# Allegro board 6089-119-RevA_41.brd (continued)
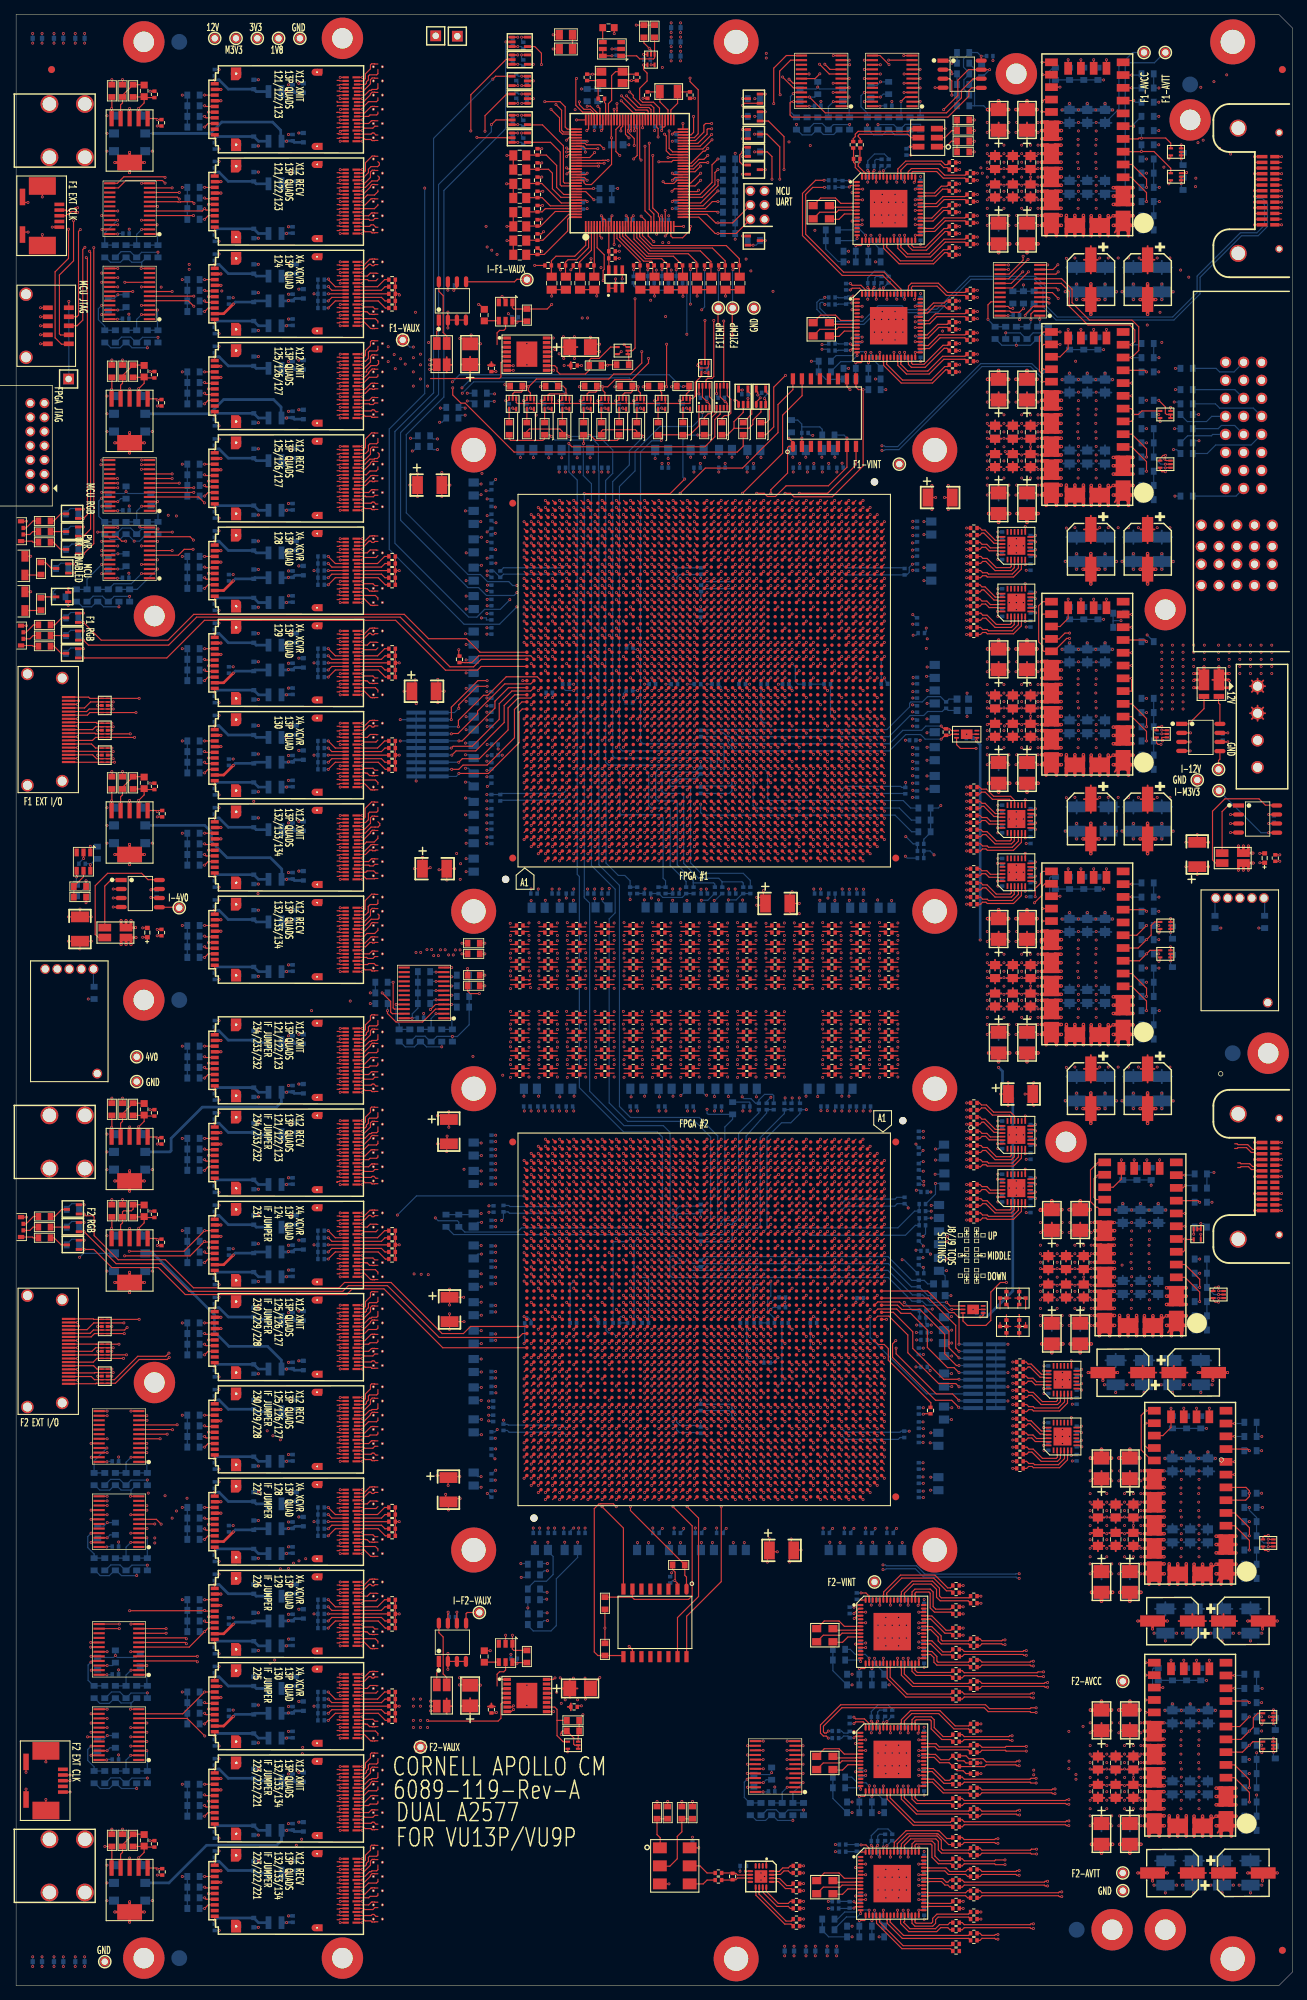
[diagram p0: board, top side]
## Routing (per net, layer and track width the routed paths; a pad name or vN(x,y) marks a point on that pad's centre or on a via; arc(x,y) is an arc through that point) (continued)
  GND3 w0.254: 50.18,196.49 VA31.4 ; VA31.4 49.95,197.09 ; VA31.4 50.04,196.58 ; VA31.4 50.37,196.52 ; VA31.4 50.04,197.22 ; VA31.4 49.95,196.71 ; VA31.4 49.98,196.9 ; VA31.4 50.37,197.28 ; 50.18,207.99 VA28.3 ; VA28.3 50.37,208.78 ; VA28.3 49.95,208.59 ; VA28.3 50.37,208.02 ; VA28.3 50.04,208.72 ; VA28.3 49.98,208.4 ; VA28.3 50.04,208.08 ; VA28.3 49.95,208.21 ; VA34.3 50.37,189.28 ; VA34.3 49.95,189.09 ; VA34.3 49.98,188.9 ; VA34.3 50.04,188.58 ; VA34.3 50.04,189.22 ; VA34.3 50.37,188.52 ; VA34.3 50.18,188.49 ; VA34.3 49.95,188.71 ; VA54.4 52.05,134.21 ; VA54.4 52.02,134.4 ; VA54.4 51.63,134.78 ; VA54.4 51.63,134.02 ; VA54.4 51.96,134.72 ; VA54.4 51.96,134.08 ; VA54.4 52.05,134.59 ; VA54.4 51.82,134.81 ; VA44.4 51.96,160.08 ; VA44.4 51.82,160.81 ; VA44.4 51.63,160.78 ; VA44.4 52.02,160.4 ; VA44.4 52.05,160.59 ; VA44.4 51.63,160.02 ; VA44.4 52.05,160.21 ; VA44.4 51.96,160.72 ; 49.98,260.4 VA6.3 ; VA6.3 50.18,259.99 ; VA6.3 50.37,260.02 ; VA6.3 50.04,260.72 ; VA6.3 50.37,260.78 ; VA6.3 49.95,260.59 ; VA6.3 49.95,260.21 ; VA6.3 50.04,260.08 ; 50.37,181.52 VA36.4 ; VA36.4 49.98,181.9 ; VA36.4 50.04,181.58 ; VA36.4 50.04,182.22 ; VA36.4 49.95,181.71 ; VA36.4 50.37,182.28 ; VA36.4 50.18,181.49 ; VA36.4 49.95,182.09 ; 49.95,203.71 VA29.3 ; VA29.3 50.18,203.49 ; VA29.3 50.37,203.52 ; VA29.3 49.98,203.9 ; VA29.3 49.95,204.09 ; VA29.3 50.37,204.28 ; VA29.3 50.04,204.22 ; VA29.3 50.04,203.58 ; 50.18,240.49 VA14.3 ; VA14.3 49.98,240.9 ; VA14.3 49.95,240.71 ; VA14.3 50.04,240.58 ; VA14.3 50.37,240.52 ; VA14.3 49.95,241.09 ; VA14.3 50.04,241.22 ; VA14.3 50.37,241.28 ; VA104.3 50.37,9.78 ; VA104.3 50.18,8.99 ; VA104.3 49.98,9.4 ; VA104.3 49.95,9.59 ; VA104.3 49.95,9.21 ; VA104.3 50.04,9.72 ; VA104.3 50.04,9.08 ; VA104.3 50.37,9.02 ; VA33.4 52.02,190.9 ; VA33.4 51.82,191.31 ; VA33.4 51.96,191.22 ; VA33.4 52.05,191.09 ; VA33.4 51.96,190.58 ; VA33.4 52.05,190.71 ; VA33.4 51.63,190.52 ; VA33.4 51.63,191.28 ; VA59.4 51.96,123.72 ; VA59.4 51.82,123.81 ; VA59.4 51.63,123.78 ; VA59.4 52.05,123.21 ; VA59.4 51.96,123.08 ; VA59.4 51.63,123.02 ; VA59.4 52.02,123.4 ; VA59.4 52.05,123.59 ; VA87.3 51.96,49.58 ; VA87.3 52.05,49.71 ; VA87.3 52.05,50.09 ; VA87.3 51.82,50.31 ; VA87.3 51.96,50.22 ; VA87.3 51.63,49.52 ; VA87.3 51.63,50.28 ; VA87.3 52.02,49.9 ; 5.69,168.93 J5.21 ; J5.21 6.5,168.67 ; J5.21 5.69,170.54 ; J5.21 7.31,170.54 ; J5.21 7.57,169.74 ; J5.21 7.31,168.93 ; J5.21 5.43,169.74 ; J5.21 6.5,170.8 ; VA78.3 50.37,78.78 ; VA78.3 50.04,78.72 ; VA78.3 50.37,78.02 ; VA78.3 49.98,78.4 ; VA78.3 49.95,78.59 ; VA78.3 49.95,78.21 ; VA78.3 50.04,78.08 ; VA78.3 50.18,77.99 ; 51.63,11.02 VA103.4 ; VA103.4 51.82,11.81 ; VA103.4 52.05,11.59 ; VA103.4 52.02,11.4 ; VA103.4 51.96,11.08 ; VA103.4 52.05,11.21 ; VA103.4 51.63,11.78 ; VA103.4 51.96,11.72 ; 49.95,151.59 VA48.3 ; VA48.3 49.98,151.4 ; VA48.3 49.95,151.21 ; VA48.3 50.37,151.02 ; VA48.3 50.18,150.99 ; VA48.3 50.04,151.72 ; VA48.3 50.04,151.08 ; VA48.3 50.37,151.78 ; VA77.4 51.63,80.78 ; VA77.4 51.82,80.81 ; VA77.4 51.96,80.08 ; VA77.4 52.05,80.21 ; VA77.4 51.63,80.02 ; VA77.4 52.02,80.4 ; VA77.4 52.05,80.59 ; VA77.4 51.96,80.72 ; VA50.4 52.05,147.21 ; VA50.4 52.02,147.4 ; VA50.4 51.82,147.81 ; VA50.4 51.63,147.02 ; VA50.4 51.96,147.72 ; VA50.4 52.05,147.59 ; VA50.4 51.96,147.08 ; VA50.4 51.63,147.78 ; VA23.4 52.02,218.4 ; VA23.4 51.63,218.78 ; VA23.4 51.63,218.02 ; VA23.4 51.82,218.81 ; VA23.4 51.96,218.08 ; VA23.4 52.05,218.21 ; VA23.4 51.96,218.72 ; VA23.4 52.05,218.59 ; 51.63,41.52 VA90.4 ; VA90.4 51.63,42.28 ; VA90.4 51.82,42.31 ; VA90.4 52.05,41.71 ; VA90.4 51.96,41.58 ; VA90.4 51.96,42.22 ; VA90.4 52.05,42.09 ; VA90.4 52.02,41.9 ; VA63.4 51.63,115.78 ; VA63.4 51.63,115.02 ; VA63.4 52.05,115.21 ; VA63.4 51.96,115.72 ; VA63.4 51.96,115.08 ; VA63.4 52.05,115.59 ; VA63.4 52.02,115.4 ; VA63.4 51.82,115.81 ; 49.95,49.71 VA87.4 ; VA87.4 49.95,50.09 ; VA87.4 50.04,50.22 ; VA87.4 50.18,49.49 ; VA87.4 49.98,49.9 ; VA87.4 50.37,49.52 ; VA87.4 50.37,50.28 ; VA87.4 50.04,49.58 ; PM1.1 13.38,3.4 ; PM1.1 11.83,4.07 ; PM1.1 11.62,3.4 ; PM1.1 12.5,4.28 ; PM1.1 12.5,2.52 ; PM1.1 13.17,4.07 ; PM1.1 13.17,2.73 ; PM1.1 11.83,2.73 ; 49.95,158.59 VA45.3 ; VA45.3 49.98,158.4 ; VA45.3 50.37,158.78 ; VA45.3 50.37,158.02 ; VA45.3 49.95,158.21 ; VA45.3 50.04,158.72 ; VA45.3 50.04,158.08 ; VA45.3 50.18,157.99 ; VA70.4 51.96,95.72 ; VA70.4 51.63,95.78 ; VA70.4 51.63,95.02 ; VA70.4 52.02,95.4 ; VA70.4 51.82,95.81 ; VA70.4 52.05,95.59 ; VA70.4 52.05,95.21 ; VA70.4 51.96,95.08 ; VA89.4 51.96,43.58 ; VA89.4 51.63,44.28 ; VA89.4 51.82,44.31 ; VA89.4 51.63,43.52 ; VA89.4 51.96,44.22 ; VA89.4 52.05,44.09 ; VA89.4 52.05,43.71 ; VA89.4 52.02,43.9 ; 49.95,149.59 VA49.3 ; VA49.3 50.04,149.72 ; VA49.3 49.95,149.21 ; VA49.3 49.98,149.4 ; VA49.3 50.04,149.08 ; VA49.3 50.18,148.99 ; VA49.3 50.37,149.02 ; VA49.3 50.37,149.78 ; 49.95,223.21 VA21.3 ; VA21.3 50.04,223.08 ; VA21.3 50.37,223.78 ; VA21.3 49.98,223.4 ; VA21.3 49.95,223.59 ; VA21.3 50.04,223.72 ; VA21.3 50.18,222.99 ; VA21.3 50.37,223.02 ; 156,12.52 PM21.1 ; PM21.1 156.67,14.07 ; PM21.1 156.67,12.73 ; PM21.1 156.88,13.4 ; PM21.1 156,14.28 ; PM21.1 155.33,14.07 ; PM21.1 155.33,12.73 ; PM21.1 155.12,13.4 ; 50.18,60.49 VA84.4 ; VA84.4 50.37,61.28 ; VA84.4 50.37,60.52 ; VA84.4 49.95,61.09 ; VA84.4 49.98,60.9 ; VA84.4 50.04,61.22 ; VA84.4 49.95,60.71 ; VA84.4 50.04,60.58 ; VA71.4 52.02,93.4 ; VA71.4 52.05,93.21 ; VA71.4 51.63,93.78 ; VA71.4 51.82,93.81 ; VA71.4 51.96,93.72 ; VA71.4 52.05,93.59 ; VA71.4 51.63,93.02 ; VA71.4 51.96,93.08 ; 49.98,93.4 VA71.3 ; VA71.3 50.37,93.02 ; VA71.3 50.04,93.72 ; VA71.3 49.95,93.59 ; VA71.3 50.37,93.78 ; VA71.3 50.04,93.08 ; VA71.3 50.18,92.99 ; VA71.3 49.95,93.21 ; 49.98,162.4 VA43.3 ; VA43.3 49.95,162.59 ; VA43.3 50.04,162.72 ; VA43.3 50.37,162.78 ; VA43.3 50.18,161.99 ; VA43.3 50.37,162.02 ; VA43.3 49.95,162.21 ; VA43.3 50.04,162.08 ; VA62.4 52.05,117.59 ; VA62.4 51.63,117.78 ; VA62.4 51.63,117.02 ; VA62.4 51.96,117.08 ; VA62.4 51.96,117.72 ; VA62.4 52.05,117.21 ; VA62.4 52.02,117.4 ; VA62.4 51.82,117.81 ; VA95.4 51.96,28.72 ; VA95.4 52.02,28.4 ; VA95.4 51.82,28.81 ; VA95.4 52.05,28.21 ; VA95.4 51.63,28.78 ; VA95.4 51.63,28.02 ; VA95.4 52.05,28.59 ; VA95.4 51.96,28.08 ; 17,126.52 PM3.1 ; PM3.1 17.67,128.07 ; PM3.1 16.33,126.73 ; PM3.1 17.88,127.4 ; PM3.1 16.33,128.07 ; PM3.1 17,128.28 ; PM3.1 16.12,127.4 ; PM3.1 17.67,126.73 ; VA57.4 51.96,128.08 ; VA57.4 51.82,128.81 ; VA57.4 52.02,128.4 ; VA57.4 52.05,128.21 ; VA57.4 51.96,128.72 ; VA57.4 51.63,128.02 ; VA57.4 51.63,128.78 ; VA57.4 52.05,128.59 ; VA44.3 50.37,160.78 ; VA44.3 49.95,160.59 ; VA44.3 50.04,160.08 ; VA44.3 50.18,159.99 ; VA44.3 49.95,160.21 ; VA44.3 50.04,160.72 ; VA44.3 50.37,160.02 ; VA44.3 49.98,160.4 ; 50.18,175.49 VA38.3 ; VA38.3 49.95,175.71 ; VA38.3 50.37,176.28 ; VA38.3 49.98,175.9 ; VA38.3 49.95,176.09 ; VA38.3 50.04,175.58 ; VA38.3 50.37,175.52 ; VA38.3 50.04,176.22 ; VA22.4 51.82,221.81 ; VA22.4 51.63,221.78 ; VA22.4 51.96,221.72 ; VA22.4 52.02,221.4 ; VA22.4 52.05,221.21 ; VA22.4 52.05,221.59 ; VA22.4 51.96,221.08 ; VA22.4 51.63,221.02 ; VA19.4 51.82,227.81 ; VA19.4 51.96,227.08 ; VA19.4 51.63,227.02 ; VA19.4 51.96,227.72 ; VA19.4 51.63,227.78 ; VA19.4 52.05,227.21 ; VA19.4 52.05,227.59 ; VA19.4 52.02,227.4 ; 49.95,235.71 VA15.4 ; VA15.4 50.18,235.49 ; VA15.4 50.37,235.52 ; VA15.4 50.04,236.22 ; VA15.4 49.98,235.9 ; VA15.4 49.95,236.09 ; VA15.4 50.37,236.28 ; VA15.4 50.04,235.58 ; VA91.3 52.05,37.09 ; VA91.3 51.63,36.52 ; VA91.3 51.63,37.28 ; VA91.3 51.82,37.31 ; VA91.3 52.05,36.71 ; VA91.3 52.02,36.9 ; VA91.3 51.96,37.22 ; VA91.3 51.96,36.58 ; VA62.3 50.37,117.78 ; VA62.3 49.95,117.59 ; VA62.3 50.04,117.72 ; VA62.3 49.95,117.21 ; VA62.3 50.37,117.02 ; VA62.3 50.04,117.08 ; VA62.3 49.98,117.4 ; VA62.3 50.18,116.99 ; 49.98,87.4 VA74.3 ; VA74.3 49.95,87.59 ; VA74.3 50.04,87.72 ; VA74.3 50.18,86.99 ; VA74.3 50.37,87.02 ; VA74.3 49.95,87.21 ; VA74.3 50.37,87.78 ; VA74.3 50.04,87.08 ; 50.04,24.08 VA97.3 ; VA97.3 50.37,24.78 ; VA97.3 50.37,24.02 ; VA97.3 49.95,24.59 ; VA97.3 50.04,24.72 ; VA97.3 49.98,24.4 ; VA97.3 50.18,23.99 ; VA97.3 49.95,24.21 ; VA83.3 51.96,63.22 ; VA83.3 52.05,63.09 ; VA83.3 51.82,63.31 ; VA83.3 52.02,62.9 ; VA83.3 51.63,62.52 ; VA83.3 51.63,63.28 ; VA83.3 51.96,62.58 ; VA83.3 52.05,62.71 ; 49.95,115.59 VA63.3 ; VA63.3 49.98,115.4 ; VA63.3 50.04,115.72 ; VA63.3 50.18,114.99 ; VA63.3 50.04,115.08 ; VA63.3 50.37,115.02 ; VA63.3 50.37,115.78 ; VA63.3 49.95,115.21 ; VA92.3 52.02,34.9 ; VA92.3 52.05,35.09 ; VA92.3 51.63,35.28 ; VA92.3 51.96,35.22 ; VA92.3 52.05,34.71 ; VA92.3 51.96,34.58 ; VA92.3 51.63,34.52 ; VA92.3 51.82,35.31 ; VA1.4 52.02,270.4 ; VA1.4 52.05,270.21 ; VA1.4 51.82,270.81 ; VA1.4 52.05,270.59 ; VA1.4 51.63,270.02 ; VA1.4 51.63,270.78 ; VA1.4 51.96,270.72 ; VA1.4 51.96,270.08 ; 50.04,69.58 VA81.3 ; VA81.3 50.37,69.52 ; VA81.3 50.18,69.49 ; VA81.3 50.37,70.28 ; VA81.3 49.95,69.71 ; VA81.3 50.04,70.22 ; VA81.3 49.95,70.09 ; VA81.3 49.98,69.9 ; VA85.4 52.05,57.09 ; VA85.4 51.96,56.58 ; VA85.4 52.02,56.9 ; VA85.4 51.63,57.28 ; VA85.4 51.63,56.52 ; VA85.4 51.96,57.22 ; VA85.4 51.82,57.31 ; VA85.4 52.05,56.71 ; VA60.4 51.82,121.81 ; VA60.4 52.05,121.59 ; VA60.4 51.63,121.02 ; VA60.4 52.05,121.21 ; VA60.4 51.96,121.72 ; VA60.4 51.96,121.08 ; VA60.4 51.63,121.78 ; VA60.4 52.02,121.4 ; 50.04,247.72 VA12.3 ; VA12.3 49.95,247.21 ; VA12.3 50.04,247.08 ; VA12.3 49.98,247.4 ; VA12.3 50.37,247.02 ; VA12.3 50.18,246.99 ; VA12.3 50.37,247.78 ; VA12.3 49.95,247.59 ; PM24.1 167.38,169.9 ; PM24.1 166.5,169.02 ; PM24.1 165.83,169.23 ; PM24.1 165.62,169.9 ; PM24.1 166.5,170.78 ; PM24.1 167.17,170.57 ; PM24.1 167.17,169.23 ; PM24.1 165.83,170.57 ; VA67.3 51.96,101.58 ; VA67.3 52.02,101.9 ; VA67.3 51.63,102.28 ; VA67.3 51.96,102.22 ; VA67.3 51.63,101.52 ; VA67.3 52.05,102.09 ; VA67.3 52.05,101.71 ; VA67.3 51.82,102.31 ; VA80.4 51.96,74.72 ; VA80.4 52.05,74.59 ; VA80.4 51.63,74.78 ; VA80.4 52.05,74.21 ; VA80.4 52.02,74.4 ; VA80.4 51.63,74.02 ; VA80.4 51.82,74.81 ; VA80.4 51.96,74.08 ; 50.04,126.08 VA58.3 ; VA58.3 50.18,125.99 ; VA58.3 49.98,126.4 ; VA58.3 50.37,126.78 ; VA58.3 49.95,126.59 ; VA58.3 49.95,126.21 ; VA58.3 50.37,126.02 ; VA58.3 50.04,126.72 ; VA39.3 51.96,170.58 ; VA39.3 52.05,170.71 ; VA39.3 51.82,171.31 ; VA39.3 51.63,171.28 ; VA39.3 51.63,170.52 ; VA39.3 52.05,171.09 ; VA39.3 51.96,171.22 ; VA39.3 52.02,170.9 ; 50.04,89.08 VA73.3 ; VA73.3 50.04,89.72 ; VA73.3 49.98,89.4 ; VA73.3 49.95,89.59 ; VA73.3 50.37,89.78 ; VA73.3 50.18,88.99 ; VA73.3 49.95,89.21 ; VA73.3 50.37,89.02 ; 49.98,147.4 VA50.3 ; VA50.3 50.04,147.72 ; VA50.3 50.37,147.02 ; VA50.3 50.18,146.99 ; VA50.3 49.95,147.21 ; VA50.3 50.04,147.08 ; VA50.3 50.37,147.78 ; VA50.3 49.95,147.59 ; 50.37,36.52 VA91.4 ; VA91.4 50.18,36.49 ; VA91.4 49.95,36.71 ; VA91.4 50.04,36.58 ; VA91.4 49.95,37.09 ; VA91.4 50.04,37.22 ; VA91.4 50.37,37.28 ; VA91.4 49.98,36.9 ; VA7.4 52.02,257.4 ; VA7.4 51.96,257.72 ; VA7.4 51.96,257.08 ; VA7.4 51.63,257.02 ; VA7.4 51.82,257.81 ; VA7.4 52.05,257.59 ; VA7.4 52.05,257.21 ; VA7.4 51.63,257.78 ; VA3.4 51.63,266.78 ; VA3.4 51.96,266.72 ; VA3.4 51.82,266.81 ; VA3.4 52.05,266.21 ; VA3.4 52.05,266.59 ; VA3.4 51.63,266.02 ; VA3.4 51.96,266.08 ; VA3.4 52.02,266.4 ; 49.95,231.59 VA17.3 ; VA17.3 49.98,231.4 ; VA17.3 50.18,230.99 ; VA17.3 49.95,231.21 ; VA17.3 50.37,231.78 ; VA17.3 50.04,231.08 ; VA17.3 50.04,231.72 ; VA17.3 50.37,231.02 ; U122.3 172.88,154.14 ; U122.3 172.12,152.4 ; U122.3 172.5,154.14 ; U122.3 173.17,152.6 ; U122.3 173.17,153.94 ; U122.3 172.5,152.39 ; U122.3 171.83,152.6 ; U122.3 171.83,153.94 ; 51.63,151.02 VA48.4 ; VA48.4 51.82,151.81 ; VA48.4 51.96,151.08 ; VA48.4 52.05,151.21 ; VA48.4 52.02,151.4 ; VA48.4 52.05,151.59 ; VA48.4 51.63,151.78 ; VA48.4 51.96,151.72 ; VA10.3 50.37,251.78 ; VA10.3 49.95,251.59 ; VA10.3 50.04,251.08 ; VA10.3 50.37,251.02 ; VA10.3 50.18,250.99 ; VA10.3 50.04,251.72 ; VA10.3 49.95,251.21 ; VA10.3 49.98,251.4 ; VA4.4 51.96,264.72 ; VA4.4 52.05,264.21 ; VA4.4 51.63,264.78 ; VA4.4 51.82,264.81 ; VA4.4 51.96,264.08 ; VA4.4 51.63,264.02 ; VA4.4 52.02,264.4 ; VA4.4 52.05,264.59 ; VA96.4 52.05,26.21 ; VA96.4 51.96,26.72 ; VA96.4 51.96,26.08 ; VA96.4 51.63,26.02 ; VA96.4 52.05,26.59 ; VA96.4 51.63,26.78 ; VA96.4 52.02,26.4 ; VA96.4 51.82,26.81 ; VA101.3 50.37,15.78 ; VA101.3 50.04,15.72 ; VA101.3 50.37,15.02 ; VA101.3 50.04,15.08 ; VA101.3 49.95,15.21 ; VA101.3 49.98,15.4 ; VA101.3 49.95,15.59 ; VA101.3 50.18,14.99 ; 49.95,74.21 VA80.3 ; VA80.3 50.04,74.72 ; VA80.3 50.04,74.08 ; VA80.3 50.18,73.99 ; VA80.3 49.98,74.4 ; VA80.3 50.37,74.02 ; VA80.3 49.95,74.59 ; VA80.3 50.37,74.78 ; VA16.3 51.82,234.31 ; VA16.3 52.05,233.71 ; VA16.3 51.63,233.52 ; VA16.3 51.96,234.22 ; VA16.3 51.63,234.28 ; VA16.3 51.96,233.58 ; VA16.3 52.02,233.9 ; VA16.3 52.05,234.09 ; 50.04,17.72 VA100.3 ; VA100.3 50.37,17.02 ; VA100.3 50.18,16.99 ; VA100.3 49.98,17.4 ; VA100.3 49.95,17.59 ; VA100.3 49.95,17.21 ; VA100.3 50.37,17.78 ; VA100.3 50.04,17.08 ; 51.63,132.02 VA55.4 ; VA55.4 52.05,132.59 ; VA55.4 51.82,132.81 ; VA55.4 52.02,132.4 ; VA55.4 51.96,132.72 ; VA55.4 52.05,132.21 ; VA55.4 51.96,132.08 ; VA55.4 51.63,132.78 ; VA81.4 52.05,69.71 ; VA81.4 51.96,69.58 ; VA81.4 52.02,69.9 ; VA81.4 51.63,69.52 ; VA81.4 51.82,70.31 ; VA81.4 52.05,70.09 ; VA81.4 51.96,70.22 ; VA81.4 51.63,70.28 ; VA41.4 51.96,166.08 ; VA41.4 51.63,166.02 ; VA41.4 51.63,166.78 ; VA41.4 52.05,166.59 ; VA41.4 52.02,166.4 ; VA41.4 51.96,166.72 ; VA41.4 51.82,166.81 ; VA41.4 52.05,166.21 ; VA94.3 50.37,30.78 ; VA94.3 49.95,30.21 ; VA94.3 50.37,30.02 ; VA94.3 50.04,30.72 ; VA94.3 50.18,29.99 ; VA94.3 50.04,30.08 ; VA94.3 49.98,30.4 ; VA94.3 49.95,30.59 ; VA7.3 50.37,257.78 ; VA7.3 49.95,257.59 ; VA7.3 50.04,257.08 ; VA7.3 49.95,257.21 ; VA7.3 50.37,257.02 ; VA7.3 50.04,257.72 ; VA7.3 49.98,257.4 ; VA7.3 50.18,256.99 ; VA53.4 51.96,136.08 ; VA53.4 52.02,136.4 ; VA53.4 51.96,136.72 ; VA53.4 51.63,136.02 ; VA53.4 51.63,136.78 ; VA53.4 52.05,136.59 ; VA53.4 52.05,136.21 ; VA53.4 51.82,136.81 ; 51.63,19.02 VA99.4 ; VA99.4 52.05,19.59 ; VA99.4 51.96,19.08 ; VA99.4 51.96,19.72 ; VA99.4 51.63,19.78 ; VA99.4 52.05,19.21 ; VA99.4 51.82,19.81 ; VA99.4 52.02,19.4 ; 49.98,249.4 VA11.3 ; VA11.3 50.18,248.99 ; VA11.3 50.37,249.78 ; VA11.3 50.37,249.02 ; VA11.3 50.04,249.72 ; VA11.3 50.04,249.08 ; VA11.3 49.95,249.21 ; VA11.3 49.95,249.59 ; 50.04,134.08 VA54.3 ; VA54.3 50.37,134.78 ; VA54.3 50.18,133.99 ; VA54.3 49.95,134.59 ; VA54.3 49.95,134.21 ; VA54.3 50.04,134.72 ; VA54.3 50.37,134.02 ; VA54.3 49.98,134.4 ; VA34.4 52.05,188.71 ; VA34.4 51.63,189.28 ; VA34.4 51.96,189.22 ; VA34.4 51.63,188.52 ; VA34.4 51.96,188.58 ; VA34.4 52.02,188.9 ; VA34.4 51.82,189.31 ; VA34.4 52.05,189.09 ; VA93.4 51.96,32.08 ; VA93.4 51.63,32.02 ; VA93.4 52.05,32.59 ; VA93.4 52.05,32.21 ; VA93.4 51.63,32.78 ; VA93.4 51.96,32.72 ; VA93.4 51.82,32.81 ; VA93.4 52.02,32.4 ; 50.04,113.08 VA64.3 ; VA64.3 50.18,112.99 ; VA64.3 50.37,113.78 ; VA64.3 50.04,113.72 ; VA64.3 49.95,113.21 ; VA64.3 50.37,113.02 ; VA64.3 49.98,113.4 ; VA64.3 49.95,113.59 ; VA88.3 51.96,47.58 ; VA88.3 51.63,48.28 ; VA88.3 51.96,48.22 ; VA88.3 52.02,47.9 ; VA88.3 52.05,48.09 ; VA88.3 51.82,48.31 ; VA88.3 52.05,47.71 ; VA88.3 51.63,47.52 ; 49.95,262.21 VA5.3 ; VA5.3 50.04,262.08 ; VA5.3 50.37,262.78 ; VA5.3 50.37,262.02 ; VA5.3 50.04,262.72 ; VA5.3 50.18,261.99 ; VA5.3 49.98,262.4 ; VA5.3 49.95,262.59 ; VA51.4 52.02,145.4 ; VA51.4 51.96,145.72 ; VA51.4 51.63,145.02 ; VA51.4 52.05,145.59 ; VA51.4 51.82,145.81 ; VA51.4 51.63,145.78 ; VA51.4 51.96,145.08 ; VA51.4 52.05,145.21 ; VA36.3 51.96,182.22 ; VA36.3 52.05,181.71 ; VA36.3 51.82,182.31 ; VA36.3 51.63,182.28 ; VA36.3 52.02,181.9 ; VA36.3 52.05,182.09 ; VA36.3 51.96,181.58 ; VA36.3 51.63,181.52 ; VA29.4 51.82,204.31 ; VA29.4 52.05,203.71 ; VA29.4 51.63,203.52 ; VA29.4 52.02,203.9 ; VA29.4 52.05,204.09 ; VA29.4 51.63,204.28 ; VA29.4 51.96,203.58 ; VA29.4 51.96,204.22 ; VA78.4 52.02,78.4 ; VA78.4 52.05,78.59 ; VA78.4 51.82,78.81 ; VA78.4 52.05,78.21 ; VA78.4 51.63,78.02 ; VA78.4 51.96,78.72 ; VA78.4 51.96,78.08 ; VA78.4 51.63,78.78 ; 49.95,169.09 VA40.4 ; VA40.4 50.37,169.28 ; VA40.4 50.37,168.52 ; VA40.4 50.04,168.58 ; VA40.4 50.04,169.22 ; VA40.4 50.18,168.49 ; VA40.4 49.95,168.71 ; VA40.4 49.98,168.9 ; 39.33,275.07 PM9.1 ; PM9.1 39.33,273.73 ; PM9.1 40.67,275.07 ; PM9.1 40,273.52 ; PM9.1 40,275.28 ; PM9.1 40.67,273.73 ; PM9.1 39.12,274.4 ; PM9.1 40.88,274.4 ; 49.95,97.59 VA69.3 ; VA69.3 50.04,97.72 ; VA69.3 50.18,96.99 ; VA69.3 49.98,97.4 ; VA69.3 50.37,97.02 ; VA69.3 50.04,97.08 ; VA69.3 49.95,97.21 ; VA69.3 50.37,97.78 ; 51.63,251.02 VA10.4 ; VA10.4 51.96,251.08 ; VA10.4 52.05,251.59 ; VA10.4 51.96,251.72 ; VA10.4 52.02,251.4 ; VA10.4 51.82,251.81 ; VA10.4 51.63,251.78 ; VA10.4 52.05,251.21 ; VA11.4 51.82,249.81 ; VA11.4 51.63,249.78 ; VA11.4 52.02,249.4 ; VA11.4 51.63,249.02 ; VA11.4 52.05,249.21 ; VA11.4 51.96,249.72 ; VA11.4 52.05,249.59 ; VA11.4 51.96,249.08 ; 50.04,143.72 VA52.3 ; VA52.3 50.37,143.02 ; VA52.3 50.04,143.08 ; VA52.3 50.37,143.78 ; VA52.3 50.18,142.99 ; VA52.3 49.95,143.59 ; VA52.3 49.95,143.21 ; VA52.3 49.98,143.4 ; 50.04,145.08 VA51.3 ; VA51.3 50.37,145.02 ; VA51.3 50.04,145.72 ; VA51.3 49.95,145.21 ; VA51.3 49.98,145.4 ; VA51.3 49.95,145.59 ; VA51.3 50.18,144.99 ; VA51.3 50.37,145.78 ; VA13.4 52.02,242.9 ; VA13.4 51.96,243.22 ; VA13.4 51.96,242.58 ; VA13.4 51.82,243.31 ; VA13.4 52.05,243.09 ; VA13.4 51.63,242.52 ; VA13.4 52.05,242.71 ; VA13.4 51.63,243.28 ; VA64.4 51.63,113.78 ; VA64.4 51.82,113.81 ; VA64.4 51.96,113.72 ; VA64.4 52.05,113.59 ; VA64.4 52.02,113.4 ; VA64.4 52.05,113.21 ; VA64.4 51.96,113.08 ; VA64.4 51.63,113.02 ; 49.98,177.9 VA37.3 ; VA37.3 50.04,178.22 ; VA37.3 50.04,177.58 ; VA37.3 49.95,178.09 ; VA37.3 49.95,177.71 ; VA37.3 50.18,177.49 ; VA37.3 50.37,178.28 ; VA37.3 50.37,177.52 ; 49.95,67.71 VA82.3 ; VA82.3 50.04,68.22 ; VA82.3 50.37,68.28 ; VA82.3 49.95,68.09 ; VA82.3 50.37,67.52 ; VA82.3 50.04,67.58 ; VA82.3 50.18,67.49 ; VA82.3 49.98,67.9 ; 49.95,266.59 VA3.3 ; VA3.3 49.98,266.4 ; VA3.3 50.37,266.78 ; VA3.3 50.37,266.02 ; VA3.3 50.04,266.08 ; VA3.3 50.18,265.99 ; VA3.3 49.95,266.21 ; VA3.3 50.04,266.72 ; VA15.3 52.05,235.71 ; VA15.3 51.63,236.28 ; VA15.3 51.63,235.52 ; VA15.3 52.05,236.09 ; VA15.3 51.96,236.22 ; VA15.3 51.82,236.31 ; VA15.3 52.02,235.9 ; VA15.3 51.96,235.58 ; VA32.3 51.96,194.58 ; VA32.3 51.63,195.28 ; VA32.3 51.96,195.22 ; VA32.3 52.02,194.9 ; VA32.3 51.82,195.31 ; VA32.3 52.05,195.09 ; VA32.3 52.05,194.71 ; VA32.3 51.63,194.52 ; VA79.3 50.37,76.78 ; VA79.3 49.95,76.59 ; VA79.3 49.95,76.21 ; VA79.3 50.37,76.02 ; VA79.3 50.04,76.72 ; VA79.3 49.98,76.4 ; VA79.3 50.04,76.08 ; VA79.3 50.18,75.99 ; 50.04,56.58 VA85.3 ; VA85.3 49.98,56.9 ; VA85.3 49.95,57.09 ; VA85.3 50.37,56.52 ; VA85.3 49.95,56.71 ; VA85.3 50.18,56.49 ; VA85.3 50.04,57.22 ; VA85.3 50.37,57.28 ; VA100.4 51.96,17.08 ; VA100.4 51.96,17.72 ; VA100.4 51.82,17.81 ; VA100.4 51.63,17.02 ; VA100.4 52.05,17.59 ; VA100.4 52.02,17.4 ; VA100.4 52.05,17.21 ; VA100.4 51.63,17.78 ; 50.04,156.08 VA46.3 ; VA46.3 49.95,156.59 ; VA46.3 50.18,155.99 ; VA46.3 50.37,156.02 ; VA46.3 49.95,156.21 ; VA46.3 50.37,156.78 ; VA46.3 49.98,156.4 ; VA46.3 50.04,156.72 ; 50.04,132.08 VA55.3 ; VA55.3 50.18,131.99 ; VA55.3 50.04,132.72 ; VA55.3 50.37,132.78 ; VA55.3 49.95,132.21 ; VA55.3 49.95,132.59 ; VA55.3 49.98,132.4 ; VA55.3 50.37,132.02 ; J6.23 1.6,98.32 ; J6.23 1.6,96.18 ; J6.23 2.64,97.7 ; J6.23 1.15,96.2 ; J6.23 2.05,98.29 ; J6.23 2.4,96.44 ; J6.23 2.66,97.25 ; J6.23 2.4,98.05 ; VA61.3 50.37,119.78 ; VA61.3 50.37,119.02 ; VA61.3 50.18,118.99 ; VA61.3 50.04,119.72 ; VA61.3 50.04,119.08 ; VA61.3 49.95,119.21 ; VA61.3 49.98,119.4 ; VA61.3 49.95,119.59 ; VA21.4 52.05,223.59 ; VA21.4 51.96,223.08 ; VA21.4 51.63,223.02 ; VA21.4 51.63,223.78 ; VA21.4 52.02,223.4 ; VA21.4 51.82,223.81 ; VA21.4 51.96,223.72 ; VA21.4 52.05,223.21 ; VA6.4 51.63,260.78 ; VA6.4 52.02,260.4 ; VA6.4 51.63,260.02 ; VA6.4 51.82,260.81 ; VA6.4 51.96,260.72 ; VA6.4 51.96,260.08 ; VA6.4 52.05,260.59 ; VA6.4 52.05,260.21 ; 50.04,82.72 VA76.3 ; VA76.3 50.37,82.78 ; VA76.3 50.04,82.08 ; VA76.3 50.18,81.99 ; VA76.3 50.37,82.02 ; VA76.3 49.98,82.4 ; VA76.3